# KiCad board Galatea Keyboard PCB.kicad_pcb (continued)
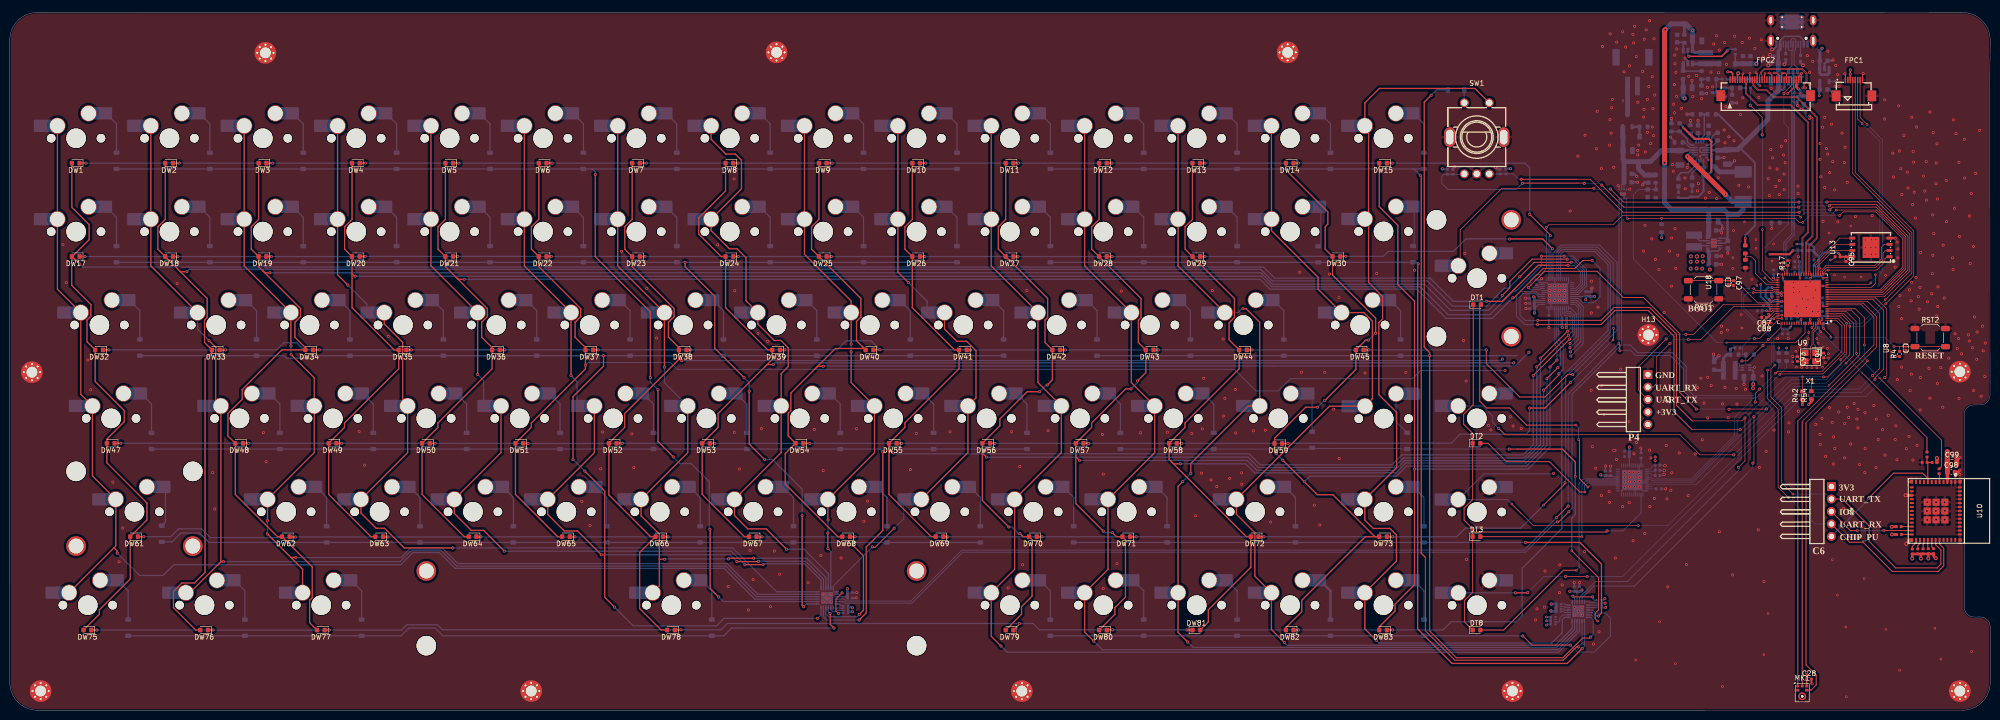
[diagram p0: board, top side]
## Routing (per net, layer and track width the routed paths; a pad name or vN(x,y) marks a point on that pad's centre or on a via; arc(x,y) is an arc through that point) (continued)
Net-(D63-K): length 8.9
  Bottom w0.254: D63.1 83.68,43.41 MX63.2
Net-(D64-K): length 8.9
  Bottom w0.254: MX64.2 102.73,43.41 D64.1
Net-(D65-K): length 8.9
  Bottom w0.254: D65.1 121.78,43.41 MX65.2
Net-(D66-K): length 8.9
  Bottom w0.254: MX66.2 140.83,43.41 D66.1
Net-(D67-K): length 8.9
  Bottom w0.254: D67.1 159.88,43.41 MX67.2
Net-(D68-K): length 8.9
  Bottom w0.254: MX68.2 178.93,43.41 D68.1
Net-(D69-K): length 8.9
  Bottom w0.254: D69.1 197.98,43.41 MX69.2
Net-(D70-K): length 8.9
  Bottom w0.254: MX70.2 217.03,43.41 D70.1
Net-(D71-K): length 8.9
  Bottom w0.254: D71.1 236.08,43.41 MX71.2
Net-(D72-K): length 8.9
  Bottom w0.254: MX72.2 262.27,43.41 D72.1
Net-(D73-K): length 8.9
  Bottom w0.254: D73.1 288.46,43.41 MX73.2
Net-(D74-A): length 3.5
  Bottom w0.5: D74.2 332.45,119.02 R45.1 332.45,119.02 Q2.1
Net-(D75-K): length 8.9
  Bottom w0.254: D75.1 24.14,24.36 MX75.2
Net-(D76-K): length 8.9
  Bottom w0.254: D76.1 47.96,24.36 MX76.2
Net-(D77-K): length 8.9
  Bottom w0.254: MX77.2 71.77,24.36 D77.1
Net-(D78-K): length 8.9
  Bottom w0.254: MX78.2 143.21,24.36 D78.1
Net-(D79-K): length 8.9
  Bottom w0.254: MX79.2 212.26,24.36 D79.1
Net-(D80-K): length 8.9
  Bottom w0.254: MX80.2 231.31,24.36 D80.1
Net-(D81-K): length 8.9
  Bottom w0.254: MX81.2 250.36,24.36 D81.1
Net-(D82-K): length 8.9
  Bottom w0.5: MX82.2 269.41,24.36 D82.1
Net-(D83-K): length 8.9
  Bottom w0.254: D83.1 288.46,24.36 MX83.2
Net-(D85-K): length 8.1
  Bottom w0.2: D85.1 265.67,63.81 MX85.2
Net-(J1-CC1): length 1.9
  Bottom w0.2: R5.1 362.28,133.92 362.28,135.79
Net-(J1-CC2): length 2.2
  Bottom w0.2: 365.28,135.79 365.28,133.58 R6.1
Net-(Q1-B): length 3.1
  Bottom w0.3: Q1.1 351.3,126.93 R32.2 351.34,126.9 R33.1
Net-(Q1-C): length 4.2
  Bottom w0.3: Q1.3 348.11,126.39 R30.1 349.31,128.74 R29.2
Net-(R28-Pad2): length 1.2
  Bottom w0.3: R28.2 351.52,128.71 R29.1
Net-(R32-Pad1): length 1.2
  Bottom w0.3: R32.1 R34.2
Net-(RD1-K): length 2.6
  Bottom w0.2: RD1.1 296.68,123.95 SW1.D
Net-(RN1B-R2.2): length 2.1
  Bottom w0.2: RN1.7 168.14,20.81 U1.1
Net-(RN1C-R3.2): length 3.3
  Bottom w0.2: RN1.6 168.76,20.31 168.54,20.09 167.89,20.09 167.48,20.5 U1.2
Net-(RN1D-R4.2): length 7.2
  Top w0.2: v1(169.06,19.71) 168.53,20.24 168.53,22.68 v1(169.78,23.93)
  Bottom w0.2: v1(169.06,19.71) 169.16,19.81 RN1.5 ; v1(169.78,23.93) 169.51,23.66 U1.20
Net-(RN2B-R2.2): length 3.6
  Bottom w0.2: RN2.7 315.98,18.01 316.17,18.2 316.17,18.78 316.82,19.44 U2.14
Net-(RN5A-R1.2): length 6.7
  Top w0.2: v1(318.86,23.27) 319.01,23.12 v1(322.9,23.12)
  Bottom w0.2: v1(318.86,23.27) 319.21,22.92 U2.20 ; RN5.8 323.26,22.43 322.9,22.79 v1(322.9,23.12)
Net-(RN5C-R3.2): length 1.8
  Bottom w0.2: RN5.6 323.73,21.44 U2.1
Net-(RN5D-R4.2): length 1.8
  Bottom w0.2: RN5.5 323.73,20.94 U2.2
Net-(RN6A-R1.2): length 1.7
  Bottom w0.2: RN6.8 316.89,20.15 317.11,19.94 U2.15
Net-(RN6B-R2.2): length 1.7
  Bottom w0.2: RN6.7 316.98,20.65 317.2,20.44 U2.16
Net-(RN6C-R3.2): length 1.7
  Bottom w0.2: U2.17 317.26,20.94 317.04,21.15 RN6.6
Net-(RN6D-R4.2): length 1.7
  Bottom w0.2: RN6.5 317.16,21.65 317.38,21.44 U2.18
Net-(U4-CTRL): length 3.2
  Bottom w0.3: C12.1 341.52,136.24 R24.2 341.37,135.91 U4.4
Net-(U4-FB): length 5.3
  Bottom w0.3: R26.2 341.35,130.38 R31.1
  Bottom w0.7: R26.2 341.37,130.44 U4.3
Net-(U4-SW): length 5.4
  Bottom w0.6: U4.1 343.28,131.87 L1.2
  Bottom w1: L1.2 D31.2
Net-(U5-BST): length 3.9
  Bottom w0.3: C84.2 348.05,117.79 347.2,116.94 347.2,115.87 346.6,115.28 U5.1
Net-(U5-ILIM): length 2.2
  Bottom w0.3: R7.1 344.01,116.53 U5.17
Net-(U5-ISET): length 2.8
  Bottom w0.254: R8.1 341.67,115.82 342.71,114.78 U5.15
Net-(U5-M0): length 1.4
  Bottom w0.3: R49.2 345.51,110.69 U5.7
Net-(U5-NTC): length 5.9
  Bottom w0.3: U5.16 342.89,115.28 342.22,115.95 342.22,116.52 R36.2 340.59,118.05 R35.1
Net-(U5-TMR): length 1.9
  Bottom w0.3: C75.1 344.51,117.63 U5.18
Net-(U5-VLIM): length 7.4
  Bottom w0.3: U5.19 345.01,116.61 345.67,117.27 345.67,121.59 ; 345.67,121.59 R38.1 ; 345.67,121.59 346.34,121.59 R48.2
Net-(U10-IO8): length 2.2
  Top w0.2: U10.22 385.83,37.45 R52.1
Net-(U10-IO18): length 2.1
  Top w0.2: R18.1 385.89,35.85 U10.24
Net-(U10-IO19): length 2.2
  Top w0.2: R19.1 388.09,33.4 388.86,34.17 U10.25
Net-(U10-IO20): length 2
  Top w0.2: R20.1 389.21,33.58 389.66,34.03 U10.26
Net-(U10-IO21): length 1.9
  Top w0.2: U10.27 390.47,33.98 390.3,33.81 R21.1
Net-(U10-IO22): length 1.9
  Top w0.2: U10.28 391.26,33.05 R22.1
Net-(U10-IO23): length 2
  Top w0.2: U10.29 392.07,33.33 R23.1
Net-(U11-SW): length 1.6
  Bottom w0.2: U11.4 352.03,69.39 U12.1
Net-(U14-BP): length 1.2
  Bottom w0.2: U14.4 C66.1
Net-(U15-L1): length 3.3
  Bottom w0.3: U16.2 344.73,95.78 U15.4
Net-(U15-L2): length 2.9
  Bottom w0.3: U16.1 343.83,94.78 U15.2

## Copper pours and planes (outline as drawn; the poured copper is in the pictures)
GND on Top: -0.01,142.31 412.86,142.34 412.85,-0.03 0,0
GND on Bottom: 0.01,142.38 412.86,142.34 412.85,0 0,0
GND on In1.Cu: 0,142.36 412.86,142.34 412.84,-0.04 0,0
ESP_3V3 on Bottom: 362.94,81.9 362.9,79.39 361.15,79.39 361.16,81.9
ESP_3V3 on Bottom: 347.3,89.46 347.4,93.39 342.32,93.39 342.32,89.46
ESP_3V3 on In2.Cu: 0,142.36 412.86,142.34 412.86,0.01 0,0

## Text on the board
B.Silkscreen: + | -
F.Silkscreen: GND | UART_RX | UART_TX | +3V3 | BOOT | 3V3 | IO9 | CHIP_PU | RESET | P4 | C6
